# Altium PCB CarrierMotherboard.PcbDoc (part 5 of 6) (continued)
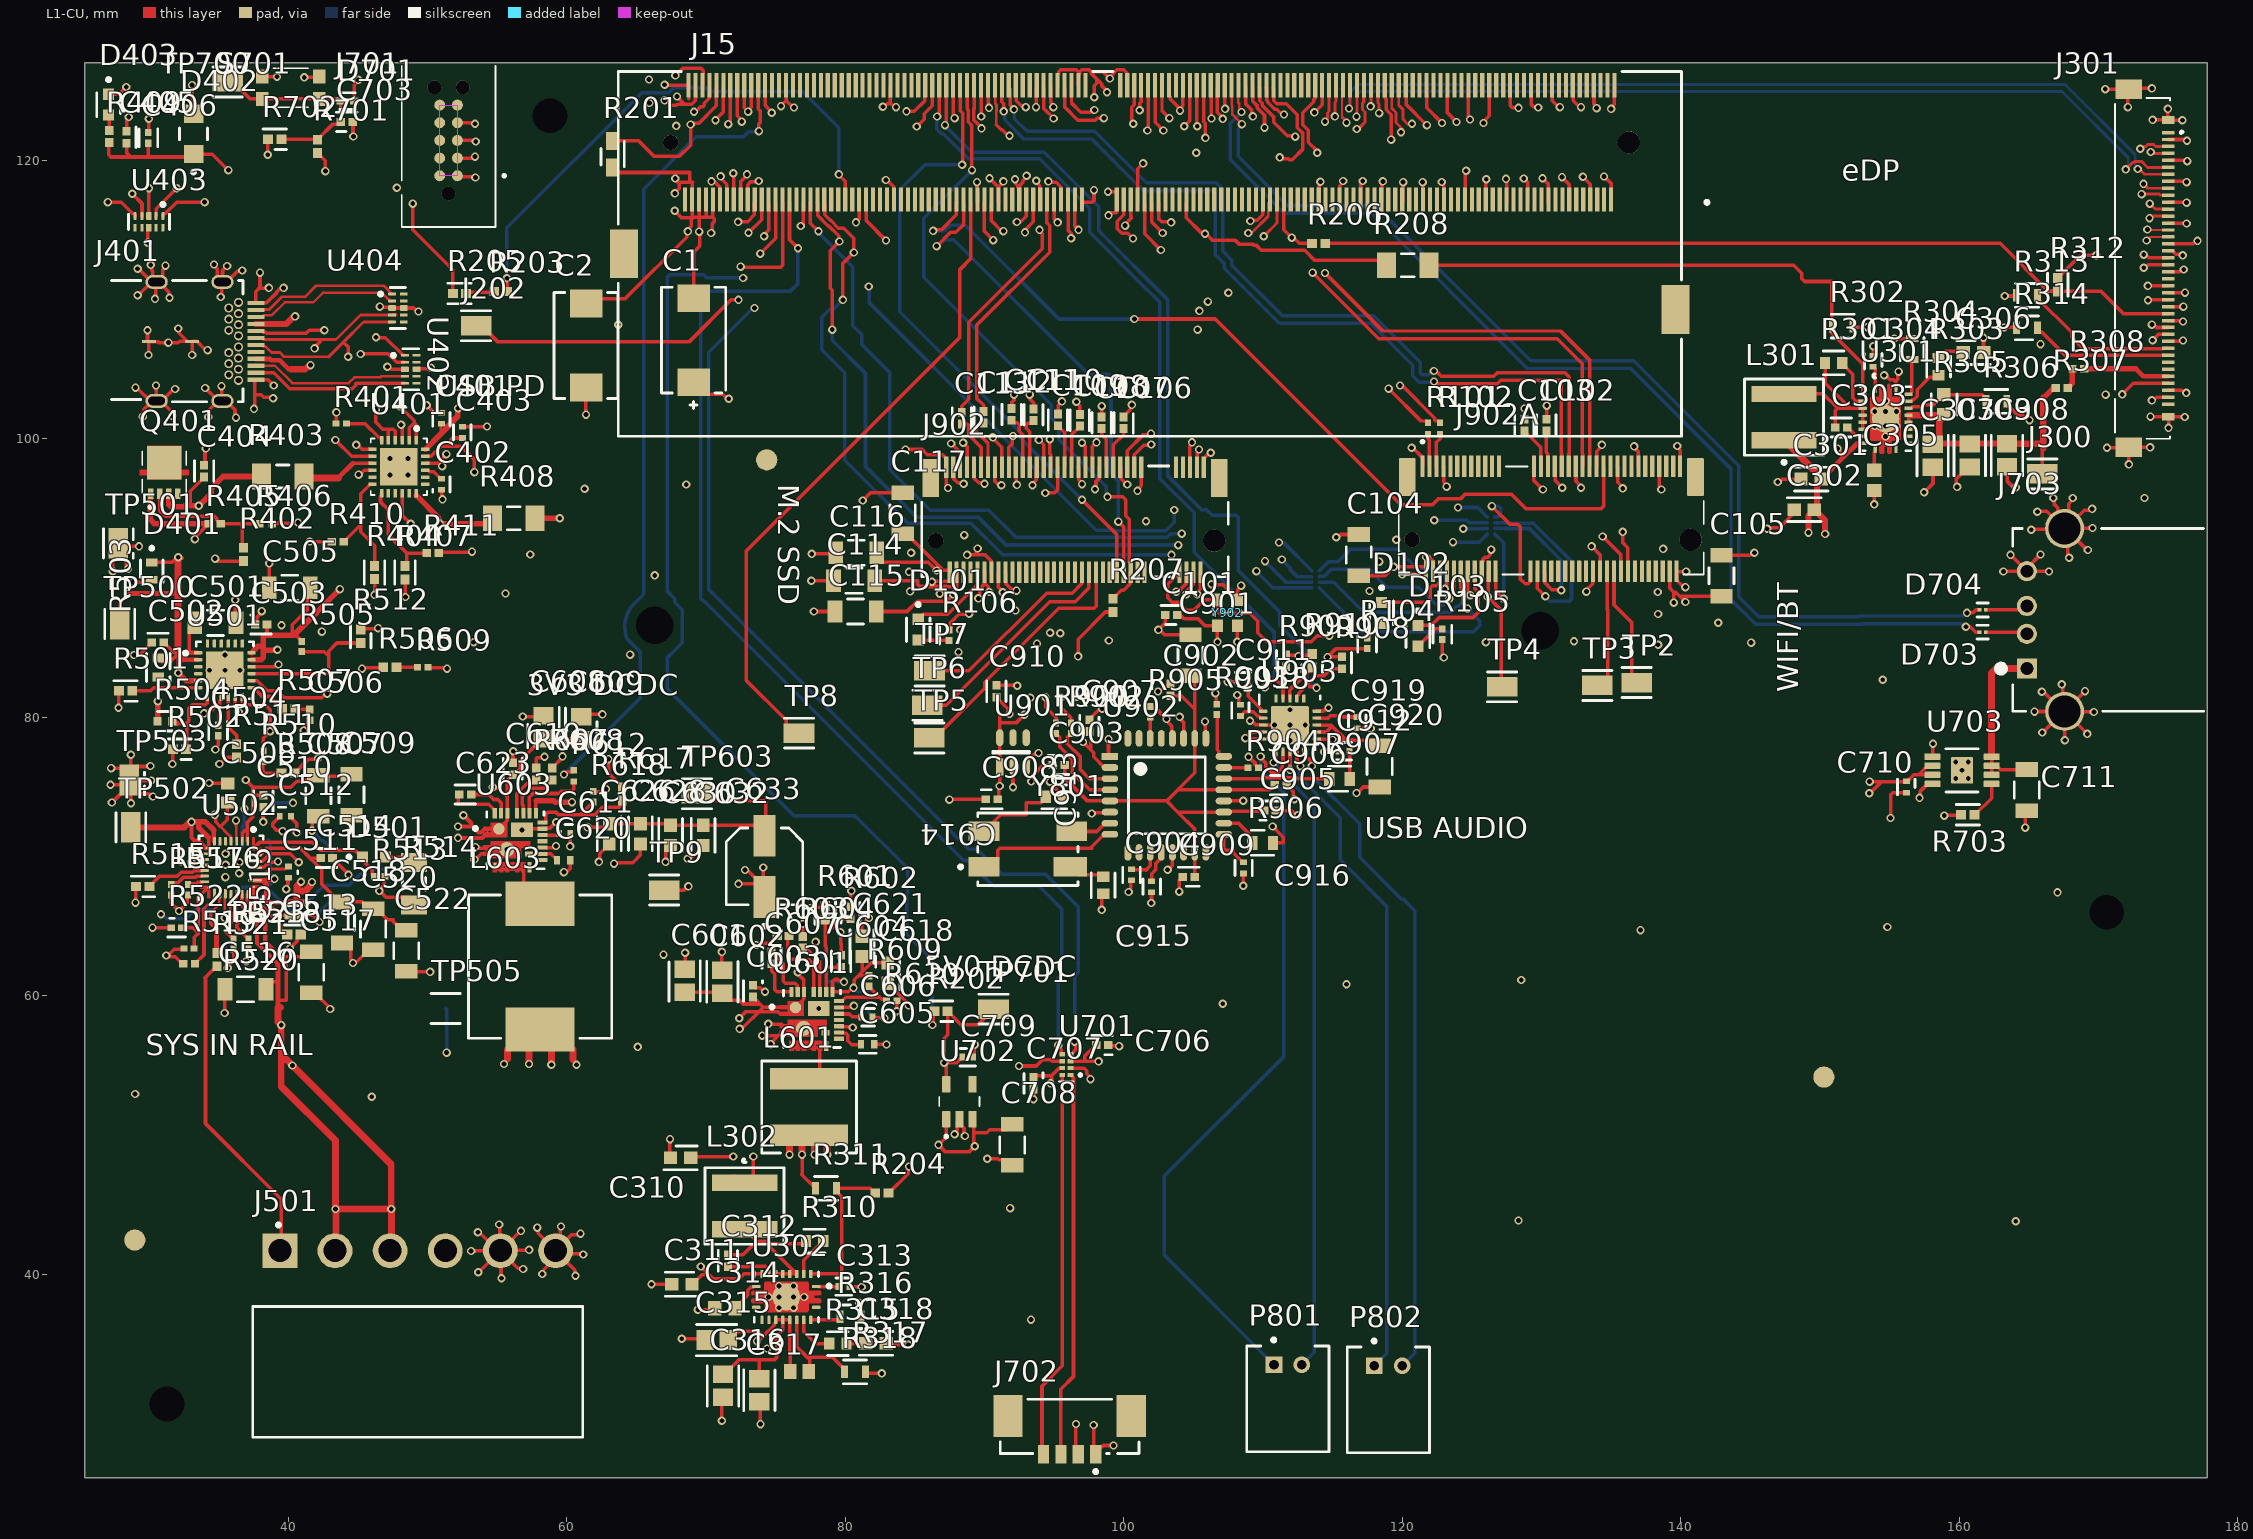
[diagram p0: L1-CU view]
## Nets (pads, with @x,y where several pads share a name; then routed paths per layer and width w, separated by ;. In a path a pad name is that pad's centre, name@x,y a point inside that pad or via, vN(x,y) a via of type N, cw(c..) or ccw(c..) an arc to the next point about the centre after c; other vN are vias at no path point) (continued)
NetJ15A_230: J15.230 U701.5 | length 81.1
  L1-CU w0.254: J15.230@76,117 76,114.297 v1(76.606,113.69) ; v1(95.301,56.464) 95.301,56.34 95.507,56.134 95.507,55.845 95.535,55.817 U701.5@95.59,55.817
  L8-CU w0.254: v1(76.606,113.69) 76.606,111.15 76.073,110.617 69.78,110.617 69.631,110.468 69.631,88.624 69.631,88.523 69.733,88.42 69.977,88.24 69.99,88.226 88.468,69.748 88.773,69.748 90.653,67.869 93.929,67.869 95.555,66.243 95.555,61.543 95.301,61.289 v1(95.301,56.464)
NetJ15A_237: J15.237 R202.1 | length 87.1
  L1-CU w0.254: J15.237@74.25,125.2 74.25,123.944 74.727,123.467 v1(74.727,123.419) ; v1(86.258,57.912) 86.329,57.983 86.329,58.829 R202.1@86.4,58.9
  L6-CU w0.254: v1(72.669,111.557) 73.64,112.528 74.047,112.528 75.26,113.741 75.26,119.71 74.727,120.244 v1(74.727,123.419)
  L8-CU w0.254: 67.754,84.823 67.234,84.303 67.234,82.147 67.234,82.042 76.327,72.949 80.696,72.949 84.479,69.166 84.479,67.413 84.427,67.361 84.427,64.425 86.258,62.594 v1(86.258,57.912) ; 67.755,84.824 68.299,85.368 68.299,86.137 68.299,87.733 67.754,88.279 67.754,88.518 67.234,89.038 67.234,111.637 67.383,111.785 69.85,111.785 70.078,111.557 v1(72.669,111.557)
NetJ15A_239: 
NetJ301_27: J301.27 R206.1 R312.1 | length 62.6
  L1-CU w0.254: R206.1@114.47,114.046 162.938,114.046 166.364,110.62 167.061,110.62 R312.1@167.081,110.6 170.185,110.6 171.785,109 J301.27@175,109
NetJ301_32: J301.32 R313.2 | length 11.3
  L1-CU w0.254: R313.2@165.613,110.307 165.613,110.107 168.072,107.648 168.072,107.315 168.913,106.474 174.613,106.474 174.637,106.498 174.998,106.498 J301.32@175,106.5
NetJ301_33: J301.33 R314.2 | length 10.3
  L1-CU w0.254: R314.2@165.621,107.975 165.621,107.775 165.744,107.652 165.944,107.652 167.597,106 J301.33@175,106
NetJ301_36: J301.36 R308.2 | length 6.2
  L1-CU w0.35: 172.683,105.041 173.224,104.5 J301.36@175,104.5
  L1-CU w0.4: R308.2@168.98,105.041 172.683,105.041
NetJ301_37: 
NetJ702_3: J702.3 U701.1 | length 27.7
  L1-CU w0.254: J702.3@95.489,27.083 95.489,31.76 96.393,32.664 96.393,54.099 96.263,54.229 96.263,54.289 96.235,54.317 U701.1@96.175,54.317
NetJ702_4: J702.4 U701.8 | length 27.9
  L1-CU w0.254: J702.4@94.239,27.083 94.132,27.189 94.132,31.979 95.59,33.436 U701.8@95.59,54.317
NetJ901_50: 
NetL603_1: L603.1 U603.5-6-7-8-9 | length 4.8
  L1-CU w0.254: 54.98,69.104 56.774,69.104 56.923,68.955 56.923,67.778 L603.1@58.09,66.611
NetP801_2: P801.2 U903.6 | length 45.7
  L1-CU w0.254: v1(110.769,76.759) 110.769,76.852 110.931,77.014 110.931,77.519 U903.6@110.938,77.526
  L8-CU w0.254: v1(110.769,76.759) 111.386,76.142 111.386,76.003 113.69,73.698 113.69,34.419 P801.2@112.785,33.514
NetQ401_2: Q401.2 R402.2 R405.1 R406.2 | length 10.6
  L1-CU w0.254: Q401.2@30.775,96.075 30.775,94.823 31.166,94.432 34.706,94.432 34.857,94.281 34.857,94.168 35.125,93.9 36.7,93.9 ; R402.2@36.8,92.175 36.7,92.275 36.7,93.9 ; R406.2@37.95,93.9 36.7,93.9
NetR203_2: R203.2 R205.1 | length 2.1
  L1-CU w0.254: R205.1@52.778,110.436 52.856,110.514 54.71,110.514 R203.2@54.788,110.592
NetR208_2: R208.2 R302.2 U301.2 | length 38.6
  L1-CU w0.254: R208.2@121.922,112.471 148.107,112.471 148.688,111.891 148.688,111.51 148.895,111.303 150.837,111.303 150.837,107.604 153.061,105.38 U301.2@153.061,103.198
NetR301_2: R301.2 U301.3 | length 3.6
  L1-CU w0.254: R301.2@151.598,105.461 151.598,105.397 152.349,104.646 152.349,102.943 152.587,102.705 153.054,102.705 U301.3@153.061,102.698
NetR303_1: R303.1 U301.18 | length 3
  L1-CU w0.254: U301.18@156.534,102.705 156.643,102.814 156.686,102.814 156.693,102.821 156.738,102.821 156.975,103.057 156.975,103.535 157.853,104.413 158.357,104.413 R303.1@158.516,104.573
NetR304_2: R304.2 U301.19 | length 2.7
  L1-CU w0.254: U301.19@156.361,103.198 156.527,103.198 156.534,103.205 156.534,103.29 156.591,103.346 R304.2@156.591,105.676
NetR305_2: R305.2 R306.1 U301.17 | length 6.1
  L1-CU w0.254: U301.17@156.534,102.205 156.643,102.314 157.236,102.314 157.36,102.438 158.136,102.438 158.88,103.183 R305.2@158.894,103.183 161.621,103.183 161.912,102.892 R306.1@161.912,102.692
NetR401_2: R401.2 U401.6 | length 3.1
  L1-CU w0.254: R401.2@44.175,101.1 45.5,101.1 46.527,100.073 46.698,100.073 46.7,100.071 U401.6@46.7,99.9
NetR403_1: R403.1 U401.9 | length 5.4
  L1-CU w0.254: R403.1@41.124,97.307 R403.1@41.224,97.207 ; 44.65,98.25 U401.9@46.05,98.25
  L1-CU w0.35: 43.6,97.2 44.65,98.25
  L1-CU w0.5: R403.1@41.225,97.2 43.6,97.2
NetR506_1: R506.1 U501.16 | length 9.7
  L1-CU w0.254: U501.16@37.363,83.637 39.044,83.637 39.206,83.8 v1(39.3,83.8) ; v1(45.3,83.5) 45.35,83.55 46.775,83.55 R506.1@46.825,83.6
  L4-CU w0.254: v1(39.3,83.8) 44.893,83.8 45.193,83.5 v1(45.3,83.5)
NetR506_2: R506.2 R509.1 | length 1.5
  L1-CU w0.254: R506.2@47.775,83.6 R509.1@49.3,83.6
NetR507_2: R507.2 U501.13 | length 2.9
  L1-CU w0.254: U501.13@37.363,82.137 37.519,82.137 38.156,81.5 38.683,81.5 39.34,80.843 39.34,80.818 39.538,80.62 R507.2@39.563,80.62 R507.2@39.632,80.62
NetR508_1: R508.1 U501.14 | length 13.1
  L1-CU w0.254: U501.14@37.363,82.637 37.37,82.63 37.77,82.63 38.5,81.9 39.2,81.9 39.7,81.4 42.406,81.4 42.706,81.7 v1(42.8,81.7) ; R508.1@40.428,76 40.453,76 41.462,77.008 42.087,77.008 v1(42.143,77.064)
  L4-CU w0.254: v1@42.189,77.064 42.8,77.674 v1(42.8,81.7)
NetR515_1: R515.1 U502.13 | length 4.3
  L1-CU w0.254: R515.1@30.014,67.86 30.754,68.6 32.018,68.6 32.309,68.891 33.154,68.891 33.263,69 U502.13@33.827,69
NetR516_2: R516.2 U502.15 | length 1.1
  L1-CU w0.254: R516.2@32.753,68 32.811,68.057 33.406,68.057 33.522,68.173 U502.15@33.827,68.173
NetR517_2: R517.2 U502.14 | length 2.5
  L1-CU w0.254: R517.2@31.575,68 31.698,68.123 32.085,68.123 32.469,68.507 33.313,68.507 33.406,68.6 U502.14@33.827,68.6
NetR518_2: R518.2 U502.21 | length 3.6
  L1-CU w0.18: 36.246,66.138 36.246,67.293 U502.21@36.253,67.3
  L1-CU w0.254: 36.246,66.138 36.394,65.99 36.394,65.21 36.302,65.118 36.302,64.907 R518.2@37.108,64.101
NetR519_2: R519.2 R522.1 U502.16 | length 6.2
  L1-CU w0.254: R522.1@32.31,64.9 33.153,64.9 33.553,64.5 ; R519.2@33.203,63.4 33.253,63.45 33.253,64.2 33.553,64.5 ; U502.16@34.222,67.769 33.553,67.1 33.553,64.5
NetR520_1: R520.1 U502.17 | length 5.7
  L1-CU w0.18: 33.953,66.266 34.69,67.003 34.69,67.34 U502.17@34.7,67.35
  L1-CU w0.254: R520.1@33.264,62.296 33.289,62.296 33.953,62.961 33.953,66.266
NetR521_1: R521.1 U502.18 | length 4.7
  L1-CU w0.18: 34.453,66 35.053,66.6 U502.18@35.053,67.325
  L1-CU w0.254: 34.453,66 34.453,65.2 34.85,64.803
  L1-CU w0.35: R521.1@34.85,63.072 34.85,64.803
NetR523_1: R523.1 U502.20 | length 3.7
  L1-CU w0.18: 35.853,65.988 U502.20@35.853,67.3
  L1-CU w0.254: 35.853,65.988 36.01,65.831 36.01,65.369 35.853,65.212 35.853,65.085 35.552,64.783 35.552,64.573 35.898,64.227 35.923,64.227 36.021,64.129 R523.1@36.021,64.104
NetR609_1: R609.1 R610.2 U601.17 | length 4.7
  L1-CU w0.254: U601.17@79.55,59.623 79.573,59.646 79.786,59.646 80.039,59.9 82.475,59.9 ; R609.1@81.7,60.7 81.7,60.675 82.475,59.9 ; R610.2@82.954,59.658 82.856,59.756 82.619,59.756 82.475,59.9
NetR703_2: R703.2 U703.5 | length 2.7
  L1-CU w0.254: R703.2@161.1,73 161.121,73 162.325,74.204 U703.5@162.325,75.225
NetR900_2: R900.2 U902.4 | length 6.5
  L1-CU w0.249: R900.2@95.143,78.841 95.143,78.816 95.244,78.716 95.259,78.716 95.405,78.57 95.405,77.881 96.314,76.973 96.314,76.037 97.55,74.8 U902.4@99.009,74.8
NetR902_2: R902.2 U902.3 | length 5.5
  L1-CU w0.249: R902.2@96.215,78.854 96.215,78.829 96.115,78.728 96.099,78.728 95.954,78.582 95.954,78.109 96.862,77.2 96.862,76.264 97.526,75.6 U902.3@99.009,75.6
NetR903_2: R903.2 U902.24 | length 3.4
  L1-CU w0.254: R903.2@106.705,80.219 106.705,77.686 106.828,77.563 106.828,77.307 106.936,77.2 U902.24@107.191,77.2
NetR904_2: R904.2 U902.23 | length 1.7
  L1-CU w0.254: U902.23@107.191,76.4 107.195,76.396 108.916,76.396 R904.2@108.92,76.392
NetR905_2: R905.2 U902.30 | length 1.5
  L1-CU w0.254: U902.30@101.9,78.491 101.902,78.494 101.902,80.014 R905.2@101.905,80.016
NetR906_1: R906.1 U902.18 | length 2.9
  L1-CU w0.254: U902.18@107.191,72.4 108.245,72.4 108.983,71.662 108.983,71.23 R906.1@109.22,70.993
NetR907_1: R907.1 U902.22 | length 7.6
  L1-CU w0.254: U902.22@107.191,75.6 109.975,75.6 110.051,75.676 112.421,75.676 112.507,75.59 R907.1@114.744,75.59
NetR910_2: R910.2 U903.18 | length 2.9
  L1-CU w0.254: U903.18@111.938,81.351 111.938,81.998 113.304,83.365 113.326,83.365 113.535,83.574 R910.2@113.535,83.595
NewNet1: Q401.5_8
OVP: R502.2 R504.1 U501.7 | length 6.1
  L1-CU w0.254: R504.1@31.79,79.606 31.996,79.606 ; 32.04,79.562 32.712,79.562 ; R502.2@32.674,77.71 32.712,77.748 32.712,79.562 ; U501.7@34.2,81.475 34.2,81.049 34.051,80.9 33.1,80.9 32.853,80.653 32.853,79.703 32.712,79.562
  L1-CU w0.35: R504.1@31.768,79.834 31.768,79.628 R504.1@31.79,79.606 ; 31.996,79.606 32.04,79.562
PCIE0_CLK_N: J15.160 J902.53 | length 24.4
  L1-CU w0.249: v1(92.913,114.833) 92.913,114.994 93.5,115.581 J15.160@93.5,117 ; J902.53@100.253,97.971 100.253,99.149 101.417,100.314 101.888,100.314 v1(101.956,100.381)
  L4-CU w0.167: v1(92.913,114.833) 92.913,110.998 100.011,103.9 100.011,101.675 101.321,100.365 101.94,100.365 v1(101.956,100.381)
PCIE0_CLK_P: J15.162 J902.55 | length 24.6
  L1-CU w0.249: v1(92.329,115.57) 92.569,115.57 93,116.001 J15.162@93,117 ; J902.55@100.753,97.971 100.753,98.873 101.431,99.552 101.939,99.552 v1(101.981,99.593)
  L4-CU w0.167: v1(92.329,115.57) 92.329,113.131 92.446,113.014 92.446,110.804 99.544,103.706 99.544,101.482 101.43,99.595 101.979,99.595 v1(101.981,99.593)
PCIE0_RX3_N: J15.155 J902.5 | length 36.8
  L1-CU w0.249: v1(87.605,99.67) 88.253,99.022 J902.5@88.253,97.971 ; J15.155@94.75,125.2 94.75,124.201 94.742,124.193 94.945,123.989 v1(94.945,123.825)
  L6-CU w0.167: v1(87.605,99.67) 86.411,100.863 86.411,104.496 84.709,106.197 84.709,120.361 84.989,120.641 88.788,120.641 88.794,120.635 91.831,120.635 94.742,123.546 v1@94.742,123.622
PCIE0_RX3_P: J15.157 J902.7 | length 37.1
  L1-CU w0.249: v1(88.468,99.72) 88.753,99.436 J902.7@88.753,97.971 ; J15.157@94.25,125.2 94.25,124.062 94.259,124.053 94.259,123.724 v1(94.971,123.012)
  L6-CU w0.167: v1(88.468,99.72) 86.878,101.311 86.878,104.689 85.176,106.391 85.176,120.167 85.182,120.173 88.594,120.173 88.6,120.167 92.024,120.167 94.869,123.012 v1(94.971,123.012)
PCIE1_CLK_N: J15.173 J902A.49 | length 62.9
  L1-CU w0.249: v1(114.452,111.912) 118.618,107.747 131.368,107.747 133.482,105.632 133.482,98.958 133.458,98.934 J902A.49@133.458,98.034
  L1-CU w0.254: J15.173@90.25,125.2 90.273,125.177 90.273,123.824 v1(90.322,123.774)
  L3-CU-PWR w0.167: v1(90.322,123.774) 90.405,123.691 90.405,123.434 91.178,122.661 91.178,121.683 92.31,120.551 93.89,120.551 95.289,119.151 111.43,119.151 114.452,116.129 v1(114.452,111.912)
PCIE1_CLK_P: J15.175 J902A.47 | length 63.1
  L1-CU w0.249: v1(113.563,111.938) 118.303,107.198 131.14,107.198 132.933,105.405 132.933,98.958 132.958,98.934 J902A.47@132.958,98.034
  L1-CU w0.254: J15.175@89.75,125.2 89.757,125.193 89.757,123.165 v1(89.773,123.149)
  L3-CU-PWR w0.167: v1(89.773,123.149) 89.856,123.066 90.113,123.066 90.711,122.468 90.711,121.489 92.117,120.084 93.696,120.084 95.096,118.684 111.237,118.684 113.563,116.357 v1(113.563,111.938)
PCIE1_RX0_N: J15.167 J902A.43 | length 59.7
  L1-CU w0.249: J15.167@91.75,125.2 91.846,125.104 91.846,123.964 92.109,123.7 v1(92.109,123.665) ; v1@122.531,104.765 122.798,104.497 126.587,104.497 126.855,104.765 131.661,104.765 131.982,104.444 131.982,98.958 131.958,98.934 J902A.43@131.958,98.034
  L8-CU w0.249: v1(92.109,123.665) 92.153,123.621 92.153,122.992 93.061,122.084 97.92,122.084 101.624,118.379 106.639,118.379 107.106,117.912 107.106,113.492 107.772,112.826 107.772,112.471 111.404,108.839 117.958,108.839 121.294,105.502 121.294,104.754 121.44,104.608 121.918,104.608 122.189,104.878 v1@122.284,104.878
  other v1: 122.276,104.87
PCIE1_RX0_P: J15.169 J902A.41 | length 59.8
  L1-CU w0.249: J15.169@91.25,125.2 91.25,124.201 91.385,124.065 v1(91.385,123.519) ; v1(122.284,104.124) 122.379,104.124 122.551,103.952 122.567,103.952 122.571,103.949 126.815,103.949 127.082,104.216 131.433,104.216 131.433,98.958 131.458,98.934 J902A.41@131.458,98.034
  L8-CU w0.249: v1(91.385,123.519) 91.452,123.452 91.452,122.916 92.833,121.535 97.692,121.535 101.397,117.831 106.412,117.831 106.557,117.685 106.557,113.264 107.223,112.598 107.223,112.244 111.177,108.29 117.73,108.29 120.745,105.275 120.745,104.526 121.213,104.059 122.219,104.059 v1(122.284,104.124)
PCIE1_TX0_N: C102.2 J902A.37 | length 2.6
  L1-CU w0.249: C102.2@130.35,100.579 130.35,99.041 130.458,98.934 J902A.37@130.458,98.034
PCIE1_TX0_P: C103.1 J15.174 | length 47.2
  L1-CU w0.249: C103.1@128.769,101.412 128.769,101.856 128.778,101.865 v1(128.778,102.185)
  L1-CU w0.254: J15.174@90,117 90,114.902 v1(90.627,114.275)
  L3-CU-PWR w0.102: v1(90.627,114.275) 90.639,114.286 91.048,114.286 95.779,109.555 105.156,109.555 105.248,109.647 105.334,109.647 105.394,109.587 105.394,109.236 v1(105.435,109.195)
  L6-CU w0.167: v1(105.435,109.195) 105.505,109.125 105.81,109.125 112.725,102.21 128.753,102.21 v1(128.778,102.185)
PEWAKE0#: J15.179 J902.54 R207.1 | length 45.7
  L1-CU w0.254: J15.179@88.75,125.2 88.75,123.693 88.827,123.617 88.827,122.764 89.103,122.488 v1(89.103,119.304) ; v1(98.831,95.834) 99.927,95.834 100.152,95.609 100.152,94.488 100.41,94.231 100.41,91.139 100.503,91.046 J902.54@100.503,90.421 100.48,90.398 100.48,89.61 100.011,89.141 99.835,89.141 99.238,88.544 R207.1@99.238,88.519
  L8-CU w0.254: v1(89.103,119.304) 85.649,115.849 85.649,111.598 94.794,102.453 94.794,101.479 95.352,100.922 95.352,99.949 98.744,96.557 98.744,95.922 v1(98.831,95.834)
PGTH: R505.1 R512.1 U501.15 | length 11.7
  L1-CU w0.254: U501.15@37.363,83.137 42.751,83.137 42.9,83.286 42.9,84.4 ; R505.1@40.822,84.838 40.872,84.838 40.97,84.74 R505.1@40.97,84.715 ; R505.1@41.142,84.715 42.585,84.715 42.9,84.4 ; R512.1@45.2,85.343 43.492,85.343 42.9,84.751 42.9,84.4
POWER_BUTTON#: C703.1 D701.1 R701.2 R702.1 S701.1 S701.2 TP700.1 | length 15
  L1-CU w0.254: TP700.1@35.645,125.629 36.045,125.629 37.252,124.422 S701.2@38.133,124.422 S701.1@42.233,124.422 43.557,124.422 43.761,124.219 43.761,122.777 43.596,122.611 43.219,122.611 42.113,121.506 R701.2@42.113,121.481 42.069,121.525 R702.1@39.514,121.525
POWER_BUTTON_SOM: J15.240 R701.1 | length 35
  L1-CU w0.254: R701.1@42.113,120.531 42.672,119.972 v1(42.672,119.228) ; v1(72.312,115.587) 72.329,115.604 72.993,115.604 73.477,116.089 73.477,116.977 J15.240@73.5,117
  L4-CU w0.254: v1(42.672,119.228) 46.287,115.613 v1(72.312,115.587)
REGN: C508.2 R519.1 R520.2 U502.5 | length 25.6
  L1-CU w0.2: 35.129,72.158 35.657,71.63 35.666,71.63 35.9,71.396 U502.5@35.9,71.1
  L1-CU w0.254: R520.2@32.414,62.296 32.389,62.296 31.876,62.809 31.326,62.809 v1(31.239,62.896) 31.361,62.896 31.82,63.356 32.409,63.356 R519.1@32.453,63.4 ; v1(34.726,73) 34.792,72.933 34.792,72.495 35.129,72.158 35.615,72.644 C508.2@35.615,73.899 ; U502.5@35.9,71.1 U502.5@35.906,71.106
  L4-CU w0.254: v1(31.239,62.896) 29.757,62.896 27.153,65.5 27.153,69.6 30.756,73.203 32.592,73.203 32.796,73 v1(34.726,73)
SoM_VIN: 
SPKR_L_N: P801.1 U903.7 | length 54.7
  L1-CU w0.254: v1(109.83,77.191) 109.83,77.097 110.212,76.714 110.212,76.438 110.589,76.06 111.051,76.06 111.377,76.387 111.377,76.601 111.438,76.662 U903.7@111.438,77.526
  L8-CU w0.254: v1(109.83,77.191) 109.83,76.276 111.506,74.6 111.506,55.651 102.895,47.041 102.895,41.404 P801.1@110.785,33.514
SPKR_R_N: P802.1 U903.9 | length 47.2
  L1-CU w0.254: U903.9@112.438,77.526 112.445,77.519 112.445,76.851 112.695,76.601 v1(112.695,76.494)
  L8-CU w0.254: v1(112.695,76.494) 112.62,76.418 112.62,76.018 112.598,75.997 112.598,75.743 115.545,72.796 115.545,69.774 118.897,66.421 118.897,34.336 P802.1@117.999,33.438
SPKR_R_P: P802.2 U903.10 | length 47.8
  L1-CU w0.254: U903.10@112.938,77.526 112.938,77.36 113.446,76.852 113.446,76.571 v1(113.513,76.505)
  L8-CU w0.254: v1(113.513,76.505) 113.513,75.794 116.942,72.365 116.942,69.952 119.939,66.954 120.066,66.954 120.897,66.123 120.897,34.336 P802.2@119.999,33.438
SSRXN1: J401.B10 U403.2 | length 15.2
  L1-CU w0.254: U403.2@30.5,116 30.527,116.027 30.527,116.527 v1(32,118)
  L4-CU w0.254: v1(32,118) 33,117 33,115 32,114 32,111 34.4,108.6 J401.B10@35.73,108.6
SSRXN2: J401.A10 U402.4 | length 11.4
  L1-CU w0.18: J401.A10@37.68,105.25 39.05,105.25 40.3,104 44.336,104 44.759,104.423 46.621,104.423 46.698,104.5 U402.4@48.382,104.5
SSRXP1: J401.B11 U403.1 | length 14.1
  L1-CU w0.254: U403.1@31,116 31,116.129 31.027,116.156 31.156,116.156 32,117 v1(34,117)
  L4-CU w0.254: v1(34,117) 34,116 35,115 35,114 33,112 33,111 34.6,109.4 J401.B11@35.73,109.4
SSRXP2: J401.A11 U402.5 | length 11.4
  L1-CU w0.254: J401.A11@37.68,104.75 38.95,104.75 40.1,103.6 44.6,103.6 44.844,103.844 44.844,103.973 44.871,104 U402.5@48.382,104
SSTXN1: J401.A3 U404.2 | length 10.8
  L1-CU w0.17: J401.A3@37.68,108.75 38.13,108.75 38.265,108.885 38.835,108.885 39.75,109.8 41.8,109.8 42.5,110.5
  L1-CU w0.2: 42.5,110.5 46.687,110.5 47.117,110.07 47.165,110.07 47.282,109.953 47.282,109.9 U404.2@47.465,109.9
SSTXN2: J401.B3 U403.4 | length 21.2
  L1-CU w0.254: v1(28.8,117.6) 29.5,116.9 U403.4@29.5,116
  L4-CU w0.254: v1(28.8,117.6) 28,116.8 28,107 29.6,105.4 J401.B3@35.73,105.4
SSTXP1: J401.A2 U404.1 | length 10.8
  L1-CU w0.2: J401.A2@37.68,109.25 37.73,109.3 38.637,109.3 39.537,110.2 41.2,110.2 42,111 46.865,111 U404.1@47.465,110.4
SSTXP2: J401.B2 U403.5 | length 22.5
  L1-CU w0.254: v1(27.047,117) 28,117 28.844,116.156 28.973,116.156 29,116.129 U403.5@29,116
  L4-CU w0.254: v1(27.047,117) 27.047,116.969 26.616,116.538 26.616,115.841 27,115.457 27,107 29.4,104.6 J401.B2@35.73,104.6
STAT: D501.1 R513.2 U502.1 | length 10.2
  L1-CU w0.254: U502.1@37.484,70.569 37.934,71.018 41.778,71.018 42.352,70.444 44.814,70.444 45.563,69.695 45.563,69.478 46.05,68.991 46.05,68.694 46.148,68.596 R513.2@46.161,68.596
SW: C303.1 L301.2 R301.1 U301.4 U301.5 U301.6 U301.7 | length 13
  L1-CU w0.254: L301.2@147.416,103.226 150.241,103.226 151.269,102.198 ; R301.1@150.368,105.461 150.368,103.995 152.165,102.198 ; C303.1@151.108,100.813 151.108,102.036 151.269,102.198 ; U301.7@153.061,100.698 U301.6@153.061,101.198 U301.5@153.061,101.698 U301.4@153.061,102.198 152.165,102.198 ; 151.269,102.198 152.165,102.198
SW_6V: 
SYS_IN: 
SYS_IN1: C1.1 C2.1 C515.1 C519.1 C521.1 C523.1 C524.1 C525.1 C601.1 C602.1 C603.1 C608.1 C609.1 C610.1 J15.251 J15.252 J15.253 J15.254 J15.255 J15.256 J15.257 J15.258 J15.259 R201.1 R201.2 R601.2 TP504.1 U502.25 U601.1-2-26 U601.22 U603.1-2-26 U603.22 | length 129.3
  L1-CU w0.254: 38.455,66.702 38.457,66.7 38.532,66.7 39.446,65.786 C515.1@39.987,65.786 ; 53.666,71.734 53.831,71.734 ; 54.087,71.991 U603.1-2-26@55.128,71.991 55.715,72.577 55.715,73.09 U603.22@55.738,73.113 55.738,74.294 ; v1(54.676,74.985) 54.742,74.918 55.113,74.918 55.738,74.294 ; C609.1@61.039,78.391 60.98,78.449 58.228,78.449 56.67,76.891 56.67,76.329 56.519,76.178 56.397,76.178 56.126,75.907 56.126,75.864 55.738,75.475 55.738,74.294 ; C2.1@62.368,110.052 64.191,110.052 68.613,114.474 68.613,114.813 v1(68.7,114.9) 68.7,115.024 68.947,115.27 68.947,115.747 ; R201.2@63.297,119.497 63.297,119.464 63.63,119.131 68.834,119.131 68.836,119.129 68.836,118.417 ; R201.1@63.297,121.397 65.168,121.397 66.271,120.293 68.096,120.293 68.9,121.097 v1(68.9,122.575) 68.987,122.662 69.496,122.662 70.75,123.916 J15.251@70.75,125.2 ; v1(67.028,125.428) 67.056,125.4 68.727,125.4 68.75,125.377 J15.259@68.75,125.2 ; v1(67.031,124.309) 67.124,124.309 67.482,123.952 67.869,123.952 67.96,124.043 68.464,124.043 ; v1(67.754,116.383) 67.754,116.358 68.244,115.868 68.825,115.868 68.947,115.747 ; v1(67.767,117.627) 67.767,117.656 68.093,117.981 68.093,118.289 67.966,118.417 ; v1(67.793,118.694) 67.793,118.601 67.966,118.428 67.966,118.417 ; v1(67.8,126.1) 67.842,126.1 68.342,126.6 69.651,126.6 69.8,126.451 69.8,126.229 69.773,126.202 69.773,125.223 J15.255@69.75,125.2 ; v1(67.92,124.587) 68.464,124.043 ; C601.1@68.469,60.249 71.118,60.249 C602.1@71.179,60.188 71.679,59.688 72.41,59.688 72.679,59.418 73.873,59.418 ; 68.75,124.427 68.775,124.452 ; 69,115.927 J15.258@69,117 ; J15.258@69,117.188 69,118.36 69.057,118.417 68.836,118.417 ; C1.1@69.113,110.096 69.113,113.423 69.541,113.851 69.541,114.849 v1(69.507,114.884) 69.523,114.901 69.523,115.927 ; v1(69.139,123.495) 69.263,123.495 69.633,123.865 69.785,123.865 69.887,123.967 69.887,124.112 70.227,124.452 70.227,125.177 J15.253@70.25,125.2 ; J15.257@69.25,125.2 69.25,124.475 69.227,124.452 69.227,124.289 68.981,124.043 68.464,124.043 ; J15.256@69.523,116.977 69.523,115.927 ; J15.254@70,117 70.023,116.977 70.023,116.026 70.149,115.9 70.5,115.9 ; 70.023,115.927 69.523,115.927 ; v1(70.37,114.783) 70.436,114.849 70.436,115.426 70.6,115.591 70.6,115.8 70.5,115.9 ; J15.252@70.5,117 70.5,115.9 ; v1(72.39,58.395) 72.873,58.877 73.823,58.877 ; v1(72.415,57.633) 72.509,57.633 72.655,57.779 72.724,57.779 73.823,58.877 ; C603.1@73.431,59.839 C603.1@73.431,59.861 ; C603.1@73.447,59.845 73.447,59.823 73.607,59.664 73.628,59.664 73.873,59.418 ; 75.313,58.723 75.158,58.877 73.823,58.877 ; v1(76.6,61.7) 76.6,61.576 77.038,61.139 U601.22@77.038,60.286 77.015,60.263 77.015,59.75 76.438,59.173 74.119,59.173 ; v1(77.505,66.305) 77.574,66.374 78.493,66.374 R601.2@78.562,66.442 ; 67.966,118.417 68.836,118.417 ; 68.947,115.747 69.127,115.927 69.523,115.927 ; 73.823,58.877 74.119,59.173 ; 73.873,59.418 74.119,59.173
  L1-CU w0.3: v1(52.197,71.349) 53.936,71.349 54.288,71.7 ; v1(52.197,72.161) 53.238,72.161 53.666,71.734 ; v1(52.578,72.974) 53.155,72.397 53.155,72.245 ; 53.831,71.734 54.087,71.991
  L1-CU w0.35: U502.25@37.58,68.273 38.18,68.273 ; 38.455,66.702 38.453,66.704 38.453,68 38.18,68.273 ; 38.532,66.7 39.936,66.7 ; v1(39.018,68.402) 38.971,68.354 38.518,68.354 38.437,68.273 38.18,68.273
  L1-CU w0.5: 39.936,66.7 40.644,66.7 ; v1(40.923,68.199) 40.923,68.172 40.644,67.893 40.644,67.539 ; v1(41.353,66.7) 40.644,66.7 ; v1(41.711,68.174) 41.711,68.147 41.603,68.039 41.603,67.917 41.225,67.539 40.644,67.539 ; 40.644,66.7 40.644,67.539
  L8-CU w0.254: C521.1@36.707,67.816 38.432,67.816 38.574,67.674 ; C523.1@37.264,66.116 37.264,66.391 37.77,66.897 37.873,66.897 38.305,67.329 38.353,67.329 ; C524.1@38.353,63.9 38.353,67.329 ; 38.488,67.329 38.353,67.329 ; 38.574,67.329 38.574,67.674 ; C525.1@38.58,71.225 C525.1@38.588,71.217 ; C525.1@38.714,70.813 38.714,68.801 39.018,68.496 v1(39.018,68.402) 39.018,68.328 38.574,67.883 38.574,67.674 ; v1(41.353,66.7) 42.597,67.944 44.363,67.944 45.52,69.1 46.853,69.1 TP504.1@47.053,68.9 ; C519.1@43.153,66.65 42.878,66.65 42.095,65.867 40.382,65.867 38.574,67.674
SYS_RESET#: J15.239 R204.1 R612.1 | length 122.4
  L1-CU w0.254: v1(59.8,75.9) 59.894,75.9 60.096,76.102 60.402,76.102 R612.1@60.5,76.2 ; J15.239@73.75,125.2 73.75,123.692 73.913,123.529 73.913,122.746 73.8,122.634 v1(73.8,122.1) ; R204.1@83.126,45.847 84.516,47.237 84.516,47.686 v1(84.582,47.752)
  L4-CU w0.254: v1(59.8,75.9) 60.717,75.9 62.43,77.613 69.415,77.613 76.177,70.85 87.15,70.85 94,64 94,57.272 84.755,48.027 84.755,48.019 84.582,47.846 v1(84.582,47.752)
  L8-CU w0.254: v1(59.8,75.9) 65.289,81.389 65.289,84.698 64.357,85.63 64.315,85.672 cw(c66.599,86.495) 64.748,88.065 65.532,88.849 65.532,117.932 69.312,121.712 72.704,121.712 73.063,122.072 73.772,122.072 v1(73.8,122.1)
SYS_RESET#_6V: 
USB2_1_D+: D704.2 J703.3 | length 3.1
  L1-CU w0.249: D704.2@161.902,87.714 164.57,87.714 J703.3@164.856,88
USB2_1_D-: D703.2 J703.2 | length 3
  L1-CU w0.249: D703.2@161.902,86.119 164.737,86.119 J703.2@164.856,86
USB_D_N: J15.121 R902.1 | length 56.4
  L1-CU w0.249: v1(95.504,81.432) 95.504,80.689 96.215,79.978 R902.1@96.215,79.604 ; J15.121@105.25,125.2 105.25,122.486 v1(105.283,122.453)
  L4-CU w0.167: v1(95.446,86.045) 95.446,85.928 95.315,85.797 95.315,83.862 95.179,83.726 95.179,81.747 95.493,81.432 v1(95.504,81.432)
  L6-CU w0.167: v1(95.446,86.045) 95.446,86.163 95.315,86.293 95.315,86.96 97.673,89.319 97.673,93.107 96.114,94.666 96.114,98.095 103.902,98.095 104.175,98.369 104.175,113.294 104.683,113.802 104.683,119.904 104.384,120.203 104.384,121.107 105.047,121.77 105.047,122.139 105.283,122.375 v1(105.283,122.453)
USB_D_P: J15.123 R900.1 | length 56.6
  L1-CU w0.249: v1(94.386,81.458) 94.386,80.723 95.143,79.966 R900.1@95.143,79.591 ; v1(104.343,122.453) 104.75,122.86 J15.123@104.75,125.2
  L4-CU w0.167: v1(94.386,81.458) 94.397,81.458 94.712,81.772 94.712,83.92 94.848,84.056 94.848,85.833 94.717,85.963 v1(94.717,86.081)
  L6-CU w0.167: v1(94.717,86.081) 94.717,86.198 94.848,86.329 94.848,87.154 97.206,89.512 97.206,92.913 95.646,94.473 95.646,98.288 95.92,98.562 103.708,98.562 103.708,113.488 104.216,113.995 104.216,119.71 104.054,119.872 103.917,120.009 103.917,121.301 104.579,121.963 104.579,122.139 104.343,122.375 v1(104.343,122.453)
USB_E_N: J902A.5 R102.2 | length 2.4
  L1-CU w0.249: J902A.5@122.458,98.034 122.458,99.747 122.72,100.01 R102.2@122.72,100.359
USB_E_P: J902A.3 R101.2 | length 2.4
  L1-CU w0.249: R101.2@121.859,100.359 121.859,100.01 121.958,99.911 J902A.3@121.958,98.034
USB_VBUS: C711.1 J703.1 U703.6 U703.7 U703.8 | length 12.6
  L1-CU w0.254: U703.6@162.325,75.875 U703.7@162.325,76.525 ; U703.8@162.325,77.175 U703.7@162.325,76.525 ; C711.1@164.846,76.254 162.946,76.254 162.675,76.525 U703.7@162.325,76.525
  L1-CU w0.5: U703.8@162.325,77.175 162.325,83.179 162.646,83.5 J703.1@164.856,83.5
UVLO: R501.2 R503.1 U501.6 | length 5.6
  L1-CU w0.254: R501.2@28.8,81.9 30.1,81.9 30.337,82.137 30.664,82.137 ; R503.1@30.664,82.909 30.664,82.137 ; U501.6@33.537,82.137 30.664,82.137
VBAT_10V: R307.2 R308.1 | length 1.5
  L1-CU w0.254: R307.2@167.786,103.657 167.811,103.657 167.959,103.805 R307.2@167.959,103.83
  L1-CU w0.4: R307.2@167.959,103.83 168.13,104.002 R308.1@168.13,105.041
VBUS: 
VBUS_AUDIO: 
VBUS_CONN: C401.1 C405.1 C406.1 D402.1 J401.A4 J401.A9 J401.B4 J401.B9 Q401.1 R405.2 R408.2 R409.2 U401.24 | length 99
  L1-CU w0.2: 50.954,100.354 C401.1@50.954,101.08
  L1-CU w0.254: R409.2@27.1,121.125 27.1,120.392 27.249,120.244 28.685,120.244 ; C405.1@28.389,121.235 28.389,120.54 28.685,120.244 ; C406.1@29.95,121.235 29.95,120.415 30.121,120.244 ; Q401.1@30.1,96.05 Q401.1@30.125,96.075 ; v1(33.3,92.8) 33.376,92.876 33.376,93.001 34.275,93.9 R405.2@34.3,93.9 ; v1(35.7,119.3) 34.55,120.45 D402.1@33.2,120.45 32.994,120.244 30.121,120.244 ; J401.A4@37.23,108.25 J401.A4@37.68,108.25 ; 51.437,100.837 51.437,100.891 ; v1@52.173,102.173 v1(52.2,102.2) ; 28.685,120.244 30.121,120.244
  L1-CU w0.35: J401.A9@37.68,105.75 38.683,105.75 38.788,105.645 39.382,105.645 40.027,105 40.2,105
  L1-CU w0.4: Q401.1@30.1,96.05 30.1,94.2 30.4,93.9 R405.2@34.275,93.9 ; J401.A4@37.68,108.25 39.866,108.25 ; U401.24@49.85,99.25 50.954,100.354 51.437,100.837 ; C401.1@50.954,101.08 C401.1@51,101.08 ; 51.437,100.891 52.173,101.627 v1@52.173,102.173 ; R408.2@57.725,94.3 v1(59.5,94.3)
  L1-CU w0.45: 39.866,108.25 v1@40.416,108.8 ; 40.2,105 41.229,105 41.529,105.3 v1(41.6,105.3)
  L3-CU-PWR w0.4: 41.1,105.8 v1(41.6,105.3)
  L3-CU-PWR w0.45: J401.B4@36.43,105.8 41.1,105.8
  L4-CU w0.254: v1(35.7,119.3) 35.7,117.968 40.513,113.155 40.513,110.513 40.5,110.5 v1(40.5,108.8) ; v1(52.2,102.2) 52.287,102.113 52.287,101.513
  L4-CU w0.4: 52.287,101.513 v1(59.5,94.3)
  L6-CU w0.4: v1(33.3,92.8) 41.6,101.1 v1(41.6,105.3) ; J401.B9@36.43,108.2 39.9,108.2 v1(40.5,108.8) 40.5,106.4 v1(41.6,105.3) ; v1(52.2,102.2) 50.65,103.75 43.15,103.75 v1(41.6,105.3)
VBUS_EN_SNK#: R406.1 U401.16 | length 12.5
  L1-CU w0.254: R406.1@38.85,93.9 38.9,93.95 40.65,93.95 v1(40.7,94) ; U401.16@48.2,96.1 48.2,94.5 v1(48.8,93.9)
  L6-CU w0.254: v1(40.7,94) 41.9,94 42,93.9 v1(48.8,93.9)
VBUS_VS_DISCH: R408.1 U401.18 | length 6.8
  L1-CU w0.254: U401.18@49.2,95.929 U401.18@49.2,96.1 ; v1@50.813,93.987 v1(50.9,93.9) ; R408.1@54.275,93.9 R408.1@54.675,94.3
  L1-CU w0.4: U401.18@49.2,95.929 50.813,94.316 v1@50.813,93.987 ; v1(50.9,93.9) R408.1@54.275,93.9
VCOM: C904.1 U902.11 | length 2.6
  L1-CU w0.254: C904.1@100.73,69.168 100.679,69.168 100.607,69.095 100.607,69.044 101.589,69.044 101.6,69.034 101.9,69.334 U902.11@101.9,70.309
VCOM2: C915.1 U902.12 | length 2.4
  L1-CU w0.254: C915.1@102.006,68.242 102.006,68.78 102.286,69.059 102.286,69.489 102.7,69.904 U902.12@102.7,70.309